# Altium PCB Avcilar_Kartli_Gecis_Sistemi.PcbDoc (continued)
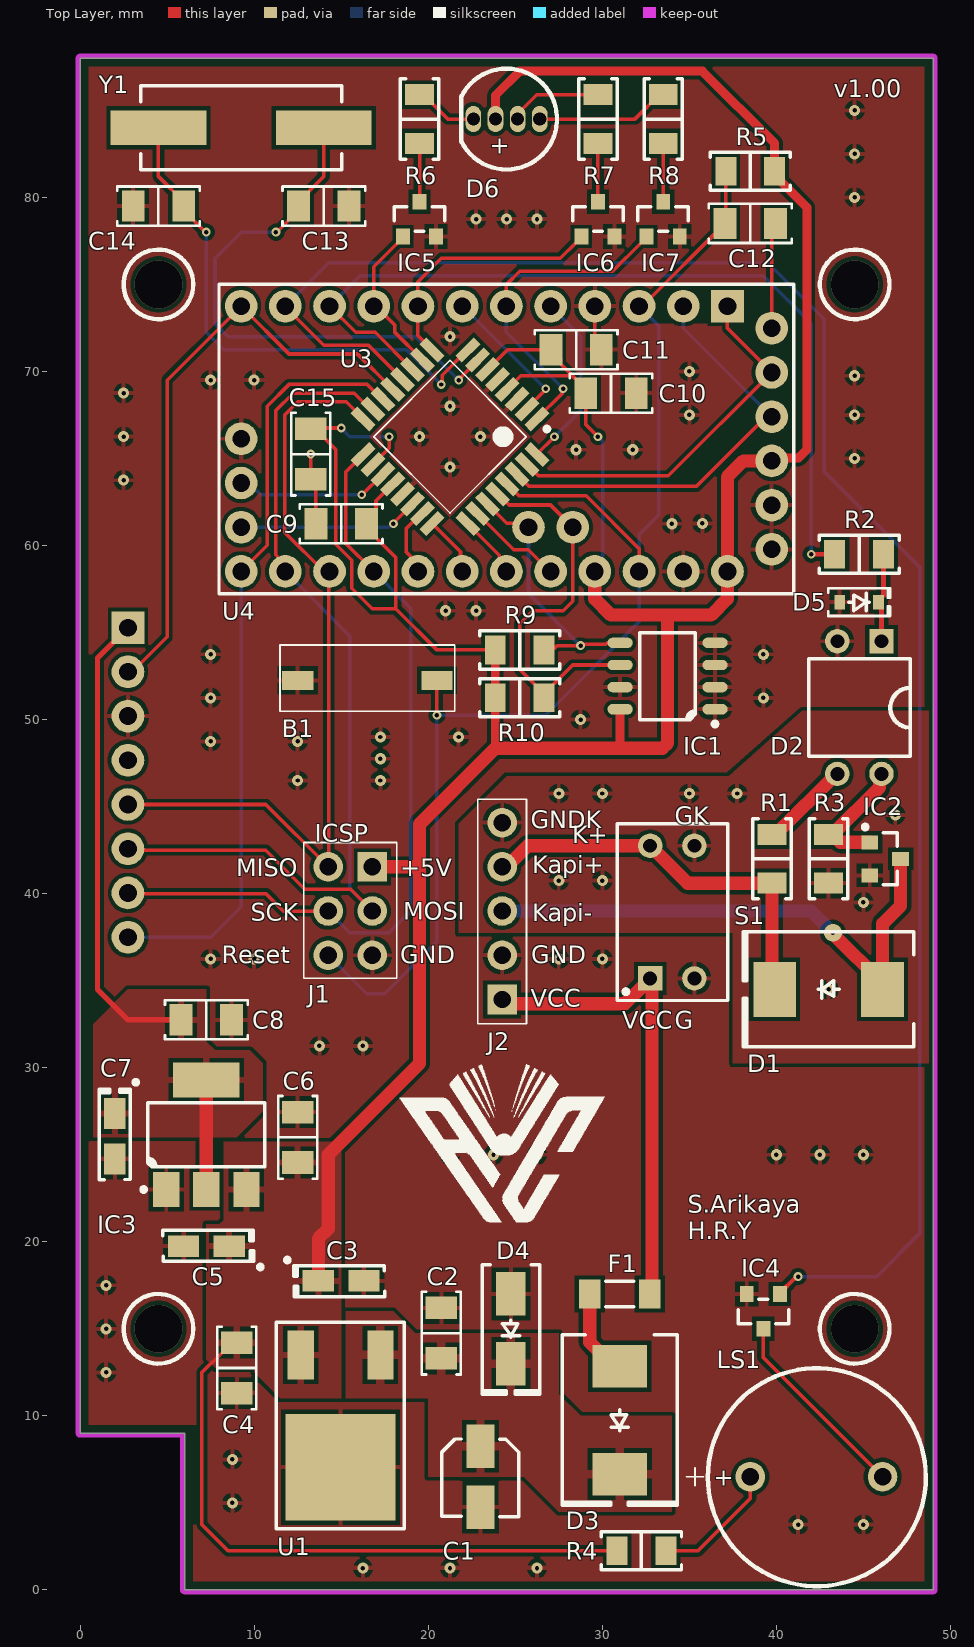
[diagram p0: Top Layer view]
## Part data (continued)
D5: "DIODE GEN PURP 75V 150MA SOD323", Current - Average Rectified (Io)=150mA, Current - Reverse Leakage @ Vr="5µA @ 75V", Manufacturer="Vishay Semiconductor Diodes Division", Operating Temperature - Junction="-55°C ~ 150°C", Package / Case="SC-76, SOD-323", Supplier Device Package=SOD-323, Supplier Part Number 1=1N4448WS-HE3-08GICT-ND, Voltage - DC Reverse (Vr) (Max)=75V, Voltage - Forward (Vf) (Max) @ If="720mV @ 5mA", ComponentLink1Description=Datasheet, ComponentLink1URL=http://www.vishay.com/docs/81387/1n4448ws.pdf, ComponentLink2Description="DigiKey Link", ComponentLink2URL=http://digikey.com/product-detail/en/vishay-semiconductor-diodes-division/1N4448WS-HE3-08/1N4448WS-HE3-08GICT-ND/8564630, Diode Type=Standard, LastUpdated="02/09/2020 01:27:24", Lifecycle Status=Active, Minimum Order=1, Mounting Type="Surface Mount", Packaging=TapeAndReel, Part Number=1N4448WS-HE3-08, Part Status=Active, PartId=2873, Price=0.05, Reverse Recovery Time (trr)=4ns, Series=-, Speed="Small Signal =< 200mA (Io), Any Speed", Supplier 1=DigiKey
D6: "RGB LED Common Anode", Manufacturer=OSRAM, Manufacturer Code=LGN971, Farnell Code=1226371, Unit Price="0,127 €"
F1: "PTC Fuse FUSE BRD MNT 2A 32VAC 63VDC 1206 PTC Fuse", Breaking Capacity @ Rated Voltage=63A, Current Rating (Amps)=2A, Device Package="1206 (3216 Metric)", Manufacturer="Schurter Inc.", Operating Temperature="-55°C ~ 90°C", Supplier Part Number 1=486-1147-1-ND, Voltage Rating - AC=32V, Voltage Rating - DC=63V, Approval Agency="cURus, VDE", Approvals="cURus, VDE", ComponentLink1Description=Datasheet, ComponentLink1URL=https://us.schurter.com/pdf/english/typ_USI_1206.pdf, ComponentLink2Description="DigiKey Link", ComponentLink2URL=http://digikey.com/product-detail/en/schurter-inc/3413.0219.22/486-1147-1-ND/1522979, ComponentLink3Description="New link", ComponentLink3URL=https://www.turus.com.tr/kategori/smd-sigorta, Fuse Type="Board Mount (Cartridge Style Excluded)", LastUpdated="02/09/2020 01:30:41", Lifecycle Status=Active, Melting I²t=0.79, Minimum Order=1, Mounting Type="Surface Mount", Package / Case="1206 (3216 Metric)", Packaging=TapeAndReel, Part Number=3413.0219.22, Part Status=Active, Price=0.26, Response Time="Fast Blow", Series="USI 1206", Size / Dimension="0.126\" L x 0.063\" W x 0.024\" H (3.20mm x 1.60mm x 0.60mm)", Supplier 1=DigiKey
IC1: "IC EEPROM 2K I2C 400KHZ 8SOIC", Clock Frequency=400kHz, Manufacturer="Microchip Technology", Operating Temperature="-40°C ~ 85°C (TA)", Package / Case="8-SOIC (0.154\", 3.90mm Width)", Supplier Device Package=8-SOIC, Supplier Part Number 1=24C02C-I/SN-ND, Voltage - Supply="4.5V ~ 5.5V", Access Time=900ns, ComponentLink1Description=Datasheet, ComponentLink1URL=http://www.microchip.com/mymicrochip/filehandler.aspx?ddocname=en011859, ComponentLink2Description="DigiKey Link", ComponentLink2URL=http://digikey.com/product-detail/en/microchip-technology/24C02C-I-SN/24C02C-I-SN-ND/318617, LastUpdated="02/09/2020 01:23:02", Lifecycle Status=Active, Memory Format=EEPROM, Memory Interface=I²C, Memory Size="2Kb (256 x 8)", Memory Type=Non-Volatile, Minimum Order=1, Mounting Type="Surface Mount", Packaging=Tube, Part Number=24C02C-I/SN, Part Status=Active, PartId=1028, Price=0.26, Series=-, Supplier 1=DigiKey, Technology=EEPROM, Write Cycle Time - Word, Page=1ms
IC2: "MOSFET N-CH 60V 2.7A SOT-23-3", Current - Continuous Drain (Id) @ 25°C="2.7A (Ta)", Drain to Source Voltage (Vdss)=60V, Drive Voltage (Max Rds On,  Min Rds On)="4.5V, 10V", Input Capacitance (Ciss) (Max) @ Vds="290pF @ 25V", Manufacturer="Infineon Technologies", Operating Temperature="-55°C ~ 150°C (TJ)", Package / Case="TO-236-3, SC-59, SOT-23-3", Power Dissipation (Max)="1.25W (Ta)", Supplier Device Package=Micro3™/SOT-23, Supplier Part Number 1=IRLML0060TRPBFCT-ND, ComponentLink1Description=Datasheet, ComponentLink1URL=https://www.infineon.com/dgdl/irlml0060pbf.pdf?fileId=5546d462533600a40153566493ef25e6, ComponentLink2Description="DigiKey Link", ComponentLink2URL=http://digikey.com/product-detail/en/infineon-technologies/IRLML0060TRPBF/IRLML0060TRPBFCT-ND/2202229, FET Type=N-Channel, Gate Charge (Qg) (Max) @ Vgs="2.5nC @ 4.5V", LastUpdated="02/09/2020 01:25:05", Lifecycle Status=Active, Minimum Order=1, Mounting Type="Surface Mount", Packaging=TapeAndReel, Part Number=IRLML0060TRPBF, Part Status=Active, Price=0.13, Rds On (Max) @ Id, Vgs="92mOhm @ 2.7A, 10V", Series=HEXFET®, Supplier 1=DigiKey, Technology="MOSFET (Metal Oxide)", Vgs (Max)=±16V, Vgs(th) (Max) @ Id="2.5V @ 25µA"
IC3: "IC REG LINEAR 3.3V 800MA SOT223", Current - Output=800mA, Current - Quiescent (Iq)=10mA, Manufacturer=STMicroelectronics, Package / Case="TO-261-4, TO-261AA", Supplier Device Package=SOT-223, Supplier Part Number 1=497-1242-1-ND, Voltage - Input (Max)=15V, Voltage - Output (Min/Fixed)=3.3V, Voltage Dropout (Max)="1.2V @ 800mA", ComponentLink1Description=Datasheet, ComponentLink1URL=http://www.st.com/content/ccc/resource/technical/document/datasheet/99/3b/7d/91/91/51/4b/be/CD00000544.pdf/files/CD00000544.pdf/jcr:content/translations/en.CD00000544.pdf, ComponentLink2Description="DigiKey Link", ComponentLink2URL=http://digikey.com/product-detail/en/stmicroelectronics/LD1117S33TR/497-1242-1-ND/586242, LastUpdated="02/09/2020 01:24:39", Lifecycle Status=Active, Minimum Order=1, Mounting Type="Surface Mount", Number of Regulators=1, Output Configuration=Positive, Output Type=Fixed, Packaging=TapeAndReel, Part Number=LD1117S33TR, Part Status=Active, Price=0.14, Protection Features="Over Current, Over Temperature", PSRR="75dB (120Hz)", Series=-, Supplier 1=DigiKey
IC4 IC5 IC6 IC7: "MOSFET N-CH 60V 115MA SOT-23", Current - Continuous Drain (Id) @ 25°C="115mA (Ta)", Drain to Source Voltage (Vdss)=60V, Drive Voltage (Max Rds On,  Min Rds On)="5V, 10V", Input Capacitance (Ciss) (Max) @ Vds="50pF @ 25V", Manufacturer="ON Semiconductor", Operating Temperature="-55°C ~ 150°C (TJ)", Package / Case="TO-236-3, SC-59, SOT-23-3", Power Dissipation (Max)="200mW (Ta)", Supplier Device Package="SOT-23 (TO-236AB)", Supplier Part Number 1=2N7002NCT-ND, ComponentLink1Description=Datasheet, ComponentLink1URL=https://www.onsemi.com/pub/Collateral/NDS7002A-D.PDF, ComponentLink2Description="DigiKey Link", ComponentLink2URL=http://digikey.com/product-detail/en/on-semiconductor/2N7002/2N7002NCT-ND/244664, FET Type=N-Channel, LastUpdated="02/09/2020 01:25:08", Lifecycle Status=Active, Minimum Order=1, Mounting Type="Surface Mount", Packaging=TapeAndReel, Part Number=2N7002, Part Status=Active, Price=0.06, Rds On (Max) @ Id, Vgs="7.5Ohm @ 500mA, 10V", Series=-, Supplier 1=DigiKey, Technology="MOSFET (Metal Oxide)", Vgs (Max)=±20V, Vgs(th) (Max) @ Id="2.5V @ 250µA"
LS1: "BUZZER 5v YX-YT12075-YT05D", ComponentLink1Description="New link", ComponentLink1URL=https://ozdisan.com/elektromekanik-komponentler/ses-urunleri/buzzerlar/YX-YT12075-YT05D
R1 R2 R3 R4 R5 R6 R7 R8: library part SR1206FR-7W330RL, "RES SMD 1206 1/2W 1% 330 OHM", Device Package="1206 (3216 Metric)", Manufacturer=Yageo, Operating Temperature="-55°C ~ 155°C", Power (Watts)="0.5W, 1/2W", Ratings=AEC-Q200, Supplier Device Package=1206, Supplier Part Number 1=YAG5901CT-ND, Temperature Coefficient=±200ppm/°C, Tolerance=±1%, ComponentLink1Description=Datasheet, ComponentLink1URL=http://www.yageo.com/documents/recent/PYu-SR_D_F%20tol_RoHS_L_4.pdf, ComponentLink2Description="DigiKey Link", ComponentLink2URL=http://digikey.com/product-detail/en/yageo/SR1206FR-7W330RL/YAG5901CT-ND/9373286, Composition="Thick Film", Features="Automotive AEC-Q200, Pulse Withstanding", Height - Seated (Max)="0.026\" (0.65mm)", LastUpdated="02/09/2020 01:12:27", Lifecycle Status=Active, Minimum Order=1, Number of Terminations=2, Package / Case="1206 (3216 Metric)", Packaging=TapeAndReel, Part Number=SR1206FR-7W330RL, Part Status=Active, PartId=45016, Price=0.18, Series=SR, Size / Dimension="0.122\" L x 0.063\" W (3.10mm x 1.60mm)", Supplier 1=DigiKey
  R1: Resistance="390 Ohm"
  R2: Resistance="220 Ohms"
  R3: Resistance="1.9 KOhm"
  R4 R6 R7 R8: Resistance="330 Ohms"
  R5: Resistance="10 KOhms"
R9 R10: library part SR1206FR-7W330RL, "RES SMD 1206 1/2W 1% 330 OHM", Device Package="1206 (3216 Metric)", Manufacturer=Yageo, Operating Temperature="-55°C ~ 155°C", Power (Watts)="0.5W, 1/2W", Ratings=AEC-Q200, Resistance="10 KOhms", Supplier Device Package=1206, Supplier Part Number 1=YAG5901CT-ND, Temperature Coefficient=±200ppm/°C, Tolerance=±1%, ComponentLink1Description=Datasheet, ComponentLink1URL=http://www.yageo.com/documents/recent/PYu-SR_D_F%20tol_RoHS_L_4.pdf, ComponentLink2Description="DigiKey Link", ComponentLink2URL=http://digikey.com/product-detail/en/yageo/SR1206FR-7W330RL/YAG5901CT-ND/9373286, Composition="Thick Film", Features="Automotive AEC-Q200, Pulse Withstanding", Height - Seated (Max)="0.026\" (0.65mm)", LastUpdated="02/09/2020 01:12:27", Lifecycle Status=Active, Minimum Order=1, Number of Terminations=2, Package / Case="1206 (3216 Metric)", Packaging=TapeAndReel, Part Number=SR1206FR-7W330RL, Part Status=Active, PartId=45016, Price=0.18, Series=SR, Size / Dimension="0.122\" L x 0.063\" W (3.10mm x 1.60mm)", Supplier 1=DigiKey
U1: "7805 SMD D2pak Regülatör - L7805CD2T", ComponentLink1Description="New link", ComponentLink1URL=https://www.direnc.net/7805-d2pak--regulator
U2: "RFID-RC522 Card Reader Module"
U3: "IC-328 MCU 8BIT 32KB FLASH 32TQPF ATMEL", ComponentLink1Description="New link", ComponentLink1URL=https://www.direnc.net/atmega328p-au-smd-8bit-20mhz-mikrodenetleyici-tqfp32
U4: "Microcontroller: ATmega328 / Operating Voltage: 5V / Input Voltage: 5 – 12 V (5V model) / Digital I/O Pins: 14 Pins (6 are PWM output pins) / Analog Input Pins: 6 Pins / DC Current per I/O Pin: 40 mA / Flash Memory: 32 kB (0.5 kB is taken by bootloader) / SRAM: 2 Kbytes / EEPROM: 1 Kbytes / Clock Speed: 16 MHz (5V model)", Arduino_Pro_Mini=Arduino_Pro_Mini
Y1: library part 9C-16.000MAAJ-T, "CRYSTAL 16.0000MHZ 18PF SMD", ESR (Equivalent Series Resistance)="30 Ohms", Frequency Stability=±30ppm, Load Capacitance=18pF, Manufacturer="TXC CORPORATION", Operating Mode=Fundamental, Operating Temperature="-20°C ~ 70°C", Package / Case=HC-49/US, Supplier Part Number 1=887-1059-1-ND, ComponentLink1Description=Datasheet, ComponentLink1URL=http://www.txccorp.com/download/products/quartz_crystals/2015TXC_9C_32.pdf, ComponentLink2Description="DigiKey Link", ComponentLink2URL=http://digikey.com/product-detail/en/txc-corporation/9C-16.000MAAJ-T/887-1059-1-ND/2118936, Frequency=16MHz, Frequency Tolerance=±30ppm, Height - Seated (Max)="0.161\" (4.10mm)", LastUpdated="02/09/2020 01:22:01", Lifecycle Status=Active, Minimum Order=1, Mounting Type="Surface Mount", Packaging=TapeAndReel, Part Number=9C-16.000MAAJ-T, Part Status=Active, PartId=708, Price=0.22, Series=9C, Size / Dimension="0.449\" L x 0.189\" W (11.40mm x 4.80mm)", Supplier 1=DigiKey, Type="MHz Crystal"

## Via types
v1: diameter 0.635, hole 0.254, Top Layer to Bottom Layer, 70 vias
v2: diameter 0.508, hole 0.254, Top Layer to Bottom Layer, 17 vias
v3: diameter 2.75, hole 2.75, Top Layer to Bottom Layer, 4 vias
v4: diameter 1.016, hole 0.254, Top Layer to Bottom Layer, 1 vias

## Nets (pads, with @x,y where several pads share a name; then routed paths per layer and width w, separated by ;. In a path a pad name is that pad's centre, name@x,y a point inside that pad or via, vN(x,y) a via of type N, cw(c..) or ccw(c..) an arc to the next point about the centre after c; other vN are vias at no path point)
+3.3: C7.1 C8.2 IC3.2 IC3.4 U2.1 | length 33.3
  Top Layer w0.305: U2.1 1,53.53 1,34.5 2.75,32.75 C8.2
  Top Layer w0.762: IC3.2 IC3.4
+5: C3.1 C4.2 C5.1 C6.2 C9.2 C10.2 C11.2 C15.2 D6.2 IC1.8 IC3.3 J1.2 R4.2 R5.1 R9.1 R10.1 U1.3 U3.4 U3.6 U3.18 U3.20 U4.21 U4.24 U4.27 | length 217.5
  Top Layer w0.203: C4.2 8.75,14.2 7.626,13.076 7.576,13.076 7,12.5 7,3.75 8.5,2.25 R4.2 ; C15.2 13.5,66.7 14.688,65.512 14.688,60.062 15.541,59.209 15.601,59.149 15.601,58.553 ccw(c16.87,58.51) 15.601,58.467 15.601,57.543 15.66,57.483 16.778,56.365 18.135,56.365 20.5,54 R9.1 ; C15.2@13.5,66.75 v2(15,66.75) ; U3.18 17.75,65.578 v2(17.75,66.25) ; U3.20 16.998,62.564 16.998,61.798 C9.2 16.45,61 18.081,59.369 18.14,59.31 18.14,58.522 ccw(c19.41,58.51) 18.14,58.498 18.14,56.36 ; U3.6 24.553,71.25 C11.2 27.598,70.702 27.598,70.441 29.05,68.989 C10.2@29.05,68.95 ; U3.4 25.316,69.75 28.25,69.75 C10.2@29.05,68.95 ; C10.2@29.09,68.91 C10.2@29.05,68.95 ; v2(29.75,66.25) 29.05,66.95 C10.2 C10.2@29.05,68.95
  Top Layer w0.508: 23.85,48.35 R10.1 R9.1 ; D6.2 23.865,85.865 25.25,87.25 35.75,87.25 39.9,83.1 R5.1 39.9,81.275 41.75,79.425 41.75,65.5 41.279,65.029 39.899,65.029 U4.27 ; 31.025,48.35 IC1.8
  Top Layer w0.762: C3.1 13.69,20.19 14.25,20.75 14.25,25 19.5,30.25 19.5,41.75 ; J1.2 19.29,41.54 19.5,41.75 ; U4.21 29.57,56.93 30.5,56 33.75,56 ; U4.27 38.11,64.86 37.19,63.94 U4.24 37.19,56.94 36.25,56 33.75,56 ; 19.5,41.75 19.5,44 23.85,48.35 31.025,48.35 33.452,48.35 33.75,48.648 33.75,56
  Bottom Layer w0.203: v2(15,66.75) 15.5,66.25 v2(17.75,66.25) ; U4.21 29.57,58.964 30.02,59.413 30.02,65.979 29.75,66.248 v2(29.75,66.25)
A0: U3.23 U4.17 | length 4
  Top Layer w0.203: U4.17 19.41,58.95 18.75,59.61 18.75,61 19.581,61.831 U3.23
A1: U3.24 U4.18 | length 3.5
  Top Layer w0.203: U3.24 21.854,59.636 21.854,58.606 U4.18
A2: U3.25 U4.19 | length 3.7
  Top Layer w0.203: U3.25 22.275,61.242 24.072,59.445 24.072,59.382 24.49,58.964 U4.19
A3: U3.26 U4.20 | length 5.6
  Top Layer w0.203: U3.26 24.922,59.75 25.75,59.75 26.99,58.51 U4.20
A6: U3.19 U4.32 | length 8.9
  Top Layer w0.203: v2(16.181,62.914) 16.199,62.914 17.378,64.093 U3.19
  Bottom Layer w0.203: U4.32 9.704,63.59 10.38,62.914 v2(16.181,62.914)
A7: U3.22 U4.31 | length 10.4
  Top Layer w0.203: v2(18,61.25) 18,61.276 19.093,62.37 U3.22
  Bottom Layer w0.203: U4.31 17.729,61.05 17.929,61.25 v2(18,61.25)
Blue: IC7.1 U3.1 U4.6 | length 18.9
  Top Layer w0.203: U4.6 24.495,73.755 24.495,74.995 25.25,75.75 30.589,75.75 32.241,77.402 32.252,77.402 32.55,77.7 IC7.1@32.55,77.711 ; U3.1 27.692,68.732 27.692,68.942 v2(27.75,69)
  Bottom Layer w0.203: U4.6 24.49,72.26 v2(27.75,69)
Buzzer: IC4.1 U3.12 U4.11 | length 106.2
  Top Layer w0.203: U4.11 11.79,73.71 14,71.5 16.566,71.5 U3.12
  Top Layer w0.254: IC4.1 40.2,17.05 41.101,17.951 41.201,17.951 v2(41.25,18)
  Bottom Layer w0.203: U4.11 14.29,76.25 39.5,76.25 42.75,73 42.75,64.25 48.25,58.75 48.25,20.5 45.75,18 v2(41.25,18)
D2: U3.32 U4.5 | length 10.3
  Top Layer w0.203: U3.32 26.235,65.235 v2(27.25,66.25)
  Bottom Layer w0.203: U4.5 28.75,72.03 28.75,67.75 v2(27.25,66.25)
D4: U3.2 U4.7 | length 8.4
  Top Layer w0.203: U3.2 25.669,67.88 26.75,68.961 v2(26.75,69)
  Bottom Layer w0.203: U4.7 21.975,73.75 26.725,69 v2(26.75,69)
DTR: C12.1 U4.30 | length 6.1
  Top Layer w0.203: U4.30 39.73,78.28 C12.1
GND: B1.1 C1.2 C2.1 C3.2 C4.1 C5.2 C6.1 C7.2 C8.1 C9.1 C10.1 C11.1 C13.1 C14.1 C15.1 D2.2 D4.1 D5.1 IC1.1 IC1.2 IC1.3 IC1.4 IC1.7 IC3.1 IC4.2 IC5.2 IC6.2 IC7.2 J1.6 J2.2 S1.2 U1.2 U2.3 U3.3 U3.5 U3.21 U4.4 U4.23 U4.25 U4.26 U4.33 | length 6.8
  Top Layer w0.203: v2(13.25,65.25) C15.1 13.55,63.5 C9.1 ; U4.4 29.57,71.63 C11.1
  other v1: 16.25,1.25 21.25,1.25 26.25,1.25 41.25,3.75 45,3.75 8.75,5 8.75,7.5 1.5,12.5 1.5,15 1.5,17.5 21.25,25 23.75,25 26.25,25 40,25 42.5,25 45,25 13.75,31.25 16.25,31.25 7.5,36.25 10,36.25 27.5,36.25 30,36.25 12.5,46.5 17.25,46.5 17.25,47.75 7.5,48.75 12.5,48.75 17.25,49 21.75,49 28.75,50 7.5,51.25 39.25,51.25 7.5,53.75 39.25,53.75 21,56.25 22.75,56.25 34,61.25 35.752,61.267 2.5,63.75 21.25,64.5 44.5,65 28.5,65.5 31.75,65.5 2.5,66.25 19.5,66.25 23,66.25 35,67.5 44.5,67.5 21.25,68 2.5,68.75 7.5,69.5 10,69.5 44.5,69.75 35,70 21.25,72 22.75,78.75 24.5,78.75 26.25,78.75 44.5,80 44.5,82.5 44.5,85
GNDKapi: IC2.2 J2.5 R3.1 S1.4
  other v1: 43,34.5 45,39.5 27.5,40.75 30,40.75 46.831,44.527 27.5,45.75 30,45.75 35,45.75 37.75,45.75
Green: IC6.1 U3.9 U4.8 | length 14.7
  Top Layer w0.203: U3.9 19.41,72.05 U4.8 19.41,75.16 20.75,76.5 27.589,76.5 28.491,77.402 28.502,77.402 28.8,77.7 IC6.1@28.8,77.711
"Kapi +": D1.2 J2.4 R1.2 S1.3 | length 23.1
  Top Layer w0.762: J2.4 24.504,41.54 25.714,42.75 S1.3 34.9,40.6 R1.2 39.75,34.65 D1.2
"Kapi -": D1.1 IC2.3 J2.3 | length 31.5
  Top Layer w0.762: v4(43.25,37.75) 43.274,37.726 43.274,37.676 D1.1@46.1,34.85 ; D1.1 D1.1@46.1,34.85 ; IC2.3 47.135,39.308 46.1,38.273 D1.1@46.1,34.85
  Bottom Layer w0.762: J2.3 42,39 v4(43.25,37.75)
MISO: J1.1 U2.5 U3.16 U4.15 | length 45.5
  Top Layer w0.203: U2.5 10.67,45.12 J1.1 14.29,41.58 14.29,58.47 U4.15 13.99,58.51 11.75,60.75 11.75,67.5 12.5,68.25 15.29,68.25 U3.16
MOSI: J1.4 U2.6 U3.15 U4.14 | length 52.9
  Top Layer w0.203: U2.6 2.83,42.5 10.66,42.5 12.91,40.25 15.54,40.25 J1.4 ; U4.14 11.79,58.927 11.25,59.467 11.25,67.753 12.247,68.75 15.748,68.75 16.657,67.841 U3.15
  Bottom Layer w0.203: U4.14 15.5,54.8 15.5,40.29 J1.4
NetC1_1: C1.1 C2.2 D3.2 D4.2 U1.1
NetD2_1: D2.1 D5.2 R2.1 | length 5.2
  Top Layer w0.305: D2.1 46.04,56.47 45.862,56.648 D5.2 45.862,56.852 46.15,57.14 R2.1
NetD2_3: D2.3 IC2.1 R3.2 | length 7.2
  Top Layer w0.762: R3.2 R3.2@43.225,43.4 ; IC2.1 43.675,42.95 R3.2@43.225,43.4 ; D2.3 45.918,46.758 45.918,46.093 R3.2@43.225,43.4
NetD2_4: D2.4 R1.1 | length 5.2
  Top Layer w0.762: R1.1 39.975,43.4 43.455,46.88 D2.4
NetD3_1: D3.1 F1.1 | length 5.1
  Top Layer w0.762: F1.1 29.275,14.225 30.65,12.85 D3.1
NetD6_1: D6.1 R6.2 | length 3.7
  Top Layer w0.203: R6.2 19.725,85.9 21.125,84.5 D6.1
NetD6_3: D6.3 R7.2 | length 5.4
  Top Layer w0.203: D6.3 25.135,84.8 26.235,85.9 R7.2
NetD6_4: D6.4 R8.2 | length 7.7
  Top Layer w0.203: D6.4 31.875,84.5 33.275,85.9 R8.2
NetIC4_3: IC4.3 LS1.2 | length 11.3
  Top Layer w0.203: IC4.3 39.25,13.35 LS1.2
NetIC5_3: IC5.3 R6.1 | length 3.1
  Top Layer w0.203: IC5.3@19.5,80 R6.1
NetIC6_3: IC6.3 R7.1 | length 3.1
  Top Layer w0.203: IC6.3@29.75,80 R7.1
NetIC7_3: IC7.3 R8.1 | length 3.1
  Top Layer w0.203: IC7.3@33.5,80 R8.1
NetLS1_1: LS1.1 R4.1 | length 7.3
  Top Layer w0.203: R4.1 35.5,2.25 38.5,5.25 LS1.1
Opto: R2.2 U3.11 U4.10 | length 50.4
  Top Layer w0.203: U4.10 15.83,72.25 16.947,72.25 U3.11
  Top Layer w0.254: v2(42,59.5) R2.2
  Bottom Layer w0.203: U4.10 16.08,75.5 39.25,75.5 42,72.75 v2(42,59.5)
Red: IC5.1 U3.10 U4.9 | length 9
  Top Layer w0.203: IC5.1 18.55,77.7 18.252,77.402 16.87,76.02 U4.9 17,73.75 18.064,72.686 18.064,72.264 U3.10
Reset: B1.2 C12.2 J1.5 R5.2 U3.29 U4.3 U4.22 | length 76.7
  Top Layer w0.203: v2(20.5,50.25) B1.2 ; U3.29 25.214,62.852 29.074,62.852 32.11,59.815 U4.22 ; U4.3 32.3,73.75 C12.2 37.1,78.55 R5.2
  Bottom Layer w0.203: J1.5 16.46,34.25 17.5,34.25 20.5,37.25 v2(20.5,50.25) 26.75,50.25 32.11,55.61 U4.22 32.11,60.61 33.25,61.75 33.25,72.61 U4.3
RST: U2.2 U3.13 U4.12 | length 34.5
  Top Layer w0.203: U2.2 2.99,52.74 5,54.75 5,69.5 U4.12 12,71 15.934,71 U3.13
RXI: U3.30 U4.2 U4.28 | length 25
  Top Layer w0.203: U3.30 25.807,63.391 35.391,63.391 39.4,67.4 U4.28
  Bottom Layer w0.203: U4.2 34.65,72.48 U4.28
SCK: J1.3 U2.7 U3.17 U4.16 | length 45.9
  Top Layer w0.203: U2.7 2.79,40 10.679,40 11.679,39 J1.3 ; U3.17 15.25,64.21 15.25,60.13 U4.16
  Bottom Layer w0.203: J1.3 15.5,37.75 17.75,37.75 19,39 19,56.38 U4.16
SCL: IC1.6 R10.2 U3.28 U4.35 | length 22.9
  Top Layer w0.203: U3.28 24.024,62.962 24.66,62.326 27.024,62.326 U4.35 28.3,56.8 27.75,56.25 26,56.25 25.25,55.5 25.25,52.875 R10.2@26.65,51.475 ; R10.2 R10.2@26.65,51.475 ; IC1.6 28.31,53.135 R10.2@26.65,51.475
SDA: IC1.5 R9.2 U3.27 U4.34 | length 14.2
  Top Layer w0.203: U3.27 24.515,61.288 25.522,61.288 U4.34 ; R9.2@27.15,54 27.4,54.25 v2(28.75,54.25) 28.829,54.329 30.199,54.329 30.275,54.405
  Bottom Layer w0.203: U4.34 25.76,57.24 v2(28.75,54.25)
SS: U2.8 U3.14 U4.13 | length 44.1
  Top Layer w0.203: U4.13 10.75,60.01 10.75,68 12,69.25 16.5,69.25 17.343,68.407 U3.14
  Bottom Layer w0.203: U2.8 7.5,37.5 9.25,39.25 U4.13
TXD: U3.31 U4.1 U4.29 | length 21.7
  Top Layer w0.203: U3.31 25.675,64.659 26.334,64 33.79,64 U4.29 37.19,72.48 U4.1
VCC: F1.2 J2.1 S1.1 | length 27.3
  Top Layer w0.762: J2.1@24.25,33.67 31.297,33.67 32.431,34.804 32.431,34.811 S1.1 32.852,35.028 32.852,17.127 F1.2
XTAL1: C13.2 U3.7 Y1.1 | length 32
  Top Layer w0.203: v2(11.25,78) 11.3,78 12.55,79.25 12.55,79.75 14,81.2 Y1.1 ; v2(21.75,69.5) 21.75,69.539 22.841,70.63 U3.7
  Bottom Layer w0.203: v2(11.25,78) 9.25,78 7.75,76.5 7.75,72.75 8.5,72 19.25,72 v2(21.75,69.5)
XTAL2: C14.2 U3.8 Y1.2 | length 30.3
  Top Layer w0.203: Y1.2 4.5,81.2 5.95,79.75 5.95,79.25 7.2,78 v2(7.25,78) ; v2(20.75,69.25) 20.808,69.308 20.808,69.788 22.255,71.235 U3.8
  Bottom Layer w0.203: v2(7.25,78) 7.25,72.25 8.25,71.25 18.75,71.25 v2(20.75,69.25)
pads on no net: U2.4
copper on no net:
  other v3: 4.5,15 44.5,15 4.5,75 44.5,75

## Polygon pours and split planes (outlines as drawn)
GND on Top Layer "GNDTop" (solid, remove dead copper, pour order 9): 0.5,87.5 0.5,9.5 6.5,9.5 6.5,0.5 48.5,0.5 48.5,87.5
+5 on Top Layer "+5" (solid, pour order 2): 15,11 15,25.75 8.25,25.75 8.25,21.25 8,21 7.25,21 7.25,13.25 7.75,12.75 10,12.75 10,12.5 11.5,11
GNDKapi on Top Layer "GNDKapiTop" (solid, remove dead copper, pour order 8): 24.5,46.75 21.75,44 21.75,37.75 37.5,37.75 37.5,30.25 48.75,30.25 48.75,50.5 41.5,50.5 37.25,46.75
+3.3 on Top Layer "+3.3" (solid, pour order 1): 0.75,26 0.75,32.5 2.75,34.5 7.25,34.5 7.25,31.5 7.75,31 9.75,31 10.5,30.25 10.5,27.5 9,26
NetC1_1 on Top Layer "NetC1_1" (solid, pour order 0): 34,10 34,4.5 27.5,4.5 25.5,6.5 20,6.5 20,11 15.25,11 15.25,16 18,16 19.25,14.75 27.5,14.75 27.5,11.25 28.75,10
GND on Bottom Layer "GNDBot" (solid, remove dead copper, pour order 11): 0.59,87.59 0.59,9.59 6.59,9.59 6.59,0.59 48.59,0.59 48.59,87.59
GNDKapi on Bottom Layer "GNDKapiBot" (solid, remove dead copper, pour order 6): 24.5,46.75 21.75,44 21.75,37.75 37.5,37.75 37.5,30.25 48.75,30.25 48.75,50.5 41.5,50.5 41.25,50.75 37.25,46.75

## Keep-outs
Keep-Out Layer:
  lines w0.254: -0.127,9 ccw(c0,9) 0,8.873 ; -0.127,9 ccw(c0,9) 0,8.873 ; -0.127,9 -0.127,88 ; -0.127,88 cw(c0,88) 0,88.127 ; -0.127,88 cw(c0,88) 0,88.127 ; 0,8.873 5.873,8.873 5.873,0 ; 0,88.127 49,88.127 ; 5.873,0 ccw(c6,0) 6,-0.127 ; 5.873,0 ccw(c6,0) 6,-0.127 ; 6,-0.127 49,-0.127 ; 49,-0.127 ccw(c49,0) 49.127,0 ; 49,-0.127 ccw(c49,0) 49.127,0 ; 49,88.127 cw(c49,88) 49.127,88 ; 49,88.127 cw(c49,88) 49.127,88 ; 49.127,0 49.127,88

## Other copper
Top Layer:
  pour cut-out: 33.79,64 39.73,69.94 37.25,72.42 37.25,72.75 32,72.75 32.11,72.86 32.11,73.75 32.3,73.75 33.57,75.02 39.73,75.02 39.73,78.28 40.875,79.425 41.75,79.425 41.75,65.5 41.7,65.45 37.45,65.45 35.5,63.5 34,63.5 34,63.79
  pour cut-out: 6.5,9.5 7,9.5 7,3.75 6.5,3.75
  pour cut-out: 0.5,53.75 0.78,53.75 1,53.53 1,34.5 1.875,33.625 0.5,32.25
Bottom Layer:
  pour cut-out: 14,76 14,75.96 11.775,73.735 11.775,72.631 16.859,72.631 18,73.771 18,76

## Silkscreen, mask and mechanical layers (free items; w line width, h text height)
Top Overlay:
  drawing of 24 lines, arcs and shapes, not listed
  text "v1.00" at 43.295,85.738 h1.02
  text "+" at 23.536,82.511 h1.02
  text "GK" at 34.15,43.988 h1.02
  text "GNDK" at 25.888,43.742 h1.02
  text "ICSP" at 13.469,42.988 h1.02
  text "K+" at 28.264,42.905 h1.02
  text "Kapi+" at 25.965,41.161 h1.02
  text "MISO" at 8.973,40.992 h1.02
  text "+5V" at 18.396,40.992 h1.02
  text "MOSI" at 18.557,38.492 h1.02
  text "SCK" at 9.79,38.43 h1.02
  text "Kapi-" at 25.965,38.411 h1.02
  text "Reset" at 8.127,36.014 h1.02
  text "GND" at 25.921,36.014 h1.02
  text "GND" at 18.396,35.992 h1.02
  text "VCC" at 25.896,33.492 h1.02
  text "VCC" at 31.142,32.238 h1.02
  text "G" at 34.15,32.238 h1.02
  text "S.Arikaya / H.R.Y" at 34.906,20.138 h1.02
  text "+" at 36.411,5.992 h1.02
Bottom Overlay:
  drawing of 49 lines, arcs and shapes, not listed
  text "S.Arikaya / H.R.Y" at 45.486,20.155 h1.02
Drill Guide:
  drawing of 484 lines, arcs and shapes, not listed
  text "Layer" at 112.279,99.316 h0.61
  text "Name" at 116.767,99.316 h0.61
  text "Material" at 130.645,99.316 h0.61
  text "Thickness" at 137.073,99.316 h0.61
  text "Constant" at 144.011,99.316 h0.61
  text "Board Layer Stack" at 150.132,99.316 h0.61
  text "Top Overlay" at 116.767,98.091 h0.61
  text "Top Solder" at 116.767,96.866 h0.61
  text "SM-001" at 130.645,96.866 h0.61
  text "1.00mil" at 137.073,96.866 h0.61
  text "4" at 144.011,96.866 h0.61
  text "Top Surface Finish" at 116.767,95.641 h0.61
  text "PbSn" at 130.645,95.641 h0.61
  text "0.79mil" at 137.073,95.641 h0.61
  text "1" at 112.279,94.415 h0.61
  text "Top Layer" at 116.767,94.415 h0.61
  text "CF-004" at 130.645,94.415 h0.61
  text "1.38mil" at 137.073,94.415 h0.61
  text "Dielectric 1" at 116.767,93.19 h0.61
  text "Core-043" at 130.645,93.19 h0.61
  text "59.00mil" at 137.073,93.19 h0.61
  text "4.3" at 144.011,93.19 h0.61
  text "2" at 112.279,91.965 h0.61
  text "Bottom Layer" at 116.767,91.965 h0.61
  text "CF-004" at 130.645,91.965 h0.61
  text "1.38mil" at 137.073,91.965 h0.61
  text "Bottom Surface Finish" at 116.767,90.74 h0.61
  text "PbSn" at 130.645,90.74 h0.61
  text "0.79mil" at 137.073,90.74 h0.61
  text "Bottom Solder" at 116.767,89.515 h0.61
  text "SM-001" at 130.645,89.515 h0.61
  text "1.00mil" at 137.073,89.515 h0.61
  text "4" at 144.011,89.515 h0.61
  text "Bottom Overlay" at 116.767,88.29 h0.61

## Text inside footprints (layer, text, board x,y; h text height)
U2: Bottom Overlay "SDA" at 7.217,37.192 h0.8; Bottom Overlay "SCK" at 7.217,39.605 h0.8; Bottom Overlay "MISO" at 7.884,44.685 h0.8; Bottom Overlay "MOSI" at 7.751,42.145 h0.8; Bottom Overlay "IRQ" at 7.084,47.225 h0.8; Bottom Overlay "GND" at 7.218,49.765 h0.8; Bottom Overlay "RST" at 7.218,52.305 h0.8; Bottom Overlay "3.3V" at 7.884,54.845 h0.8